# Altium PCB 非自锁降压电源模块（拼夕夕）.PcbDoc
Units mm, origin at the board's own origin, x right, y up, seen from the top; angles counter-clockwise.
Board outline 81.53 x 81.53 mm, 2 copper layers (Top Layer, Bottom Layer); 128 components, 9 nets, 288 pads, 143 vias.
Unrouted connection lines stored in the file: 63.
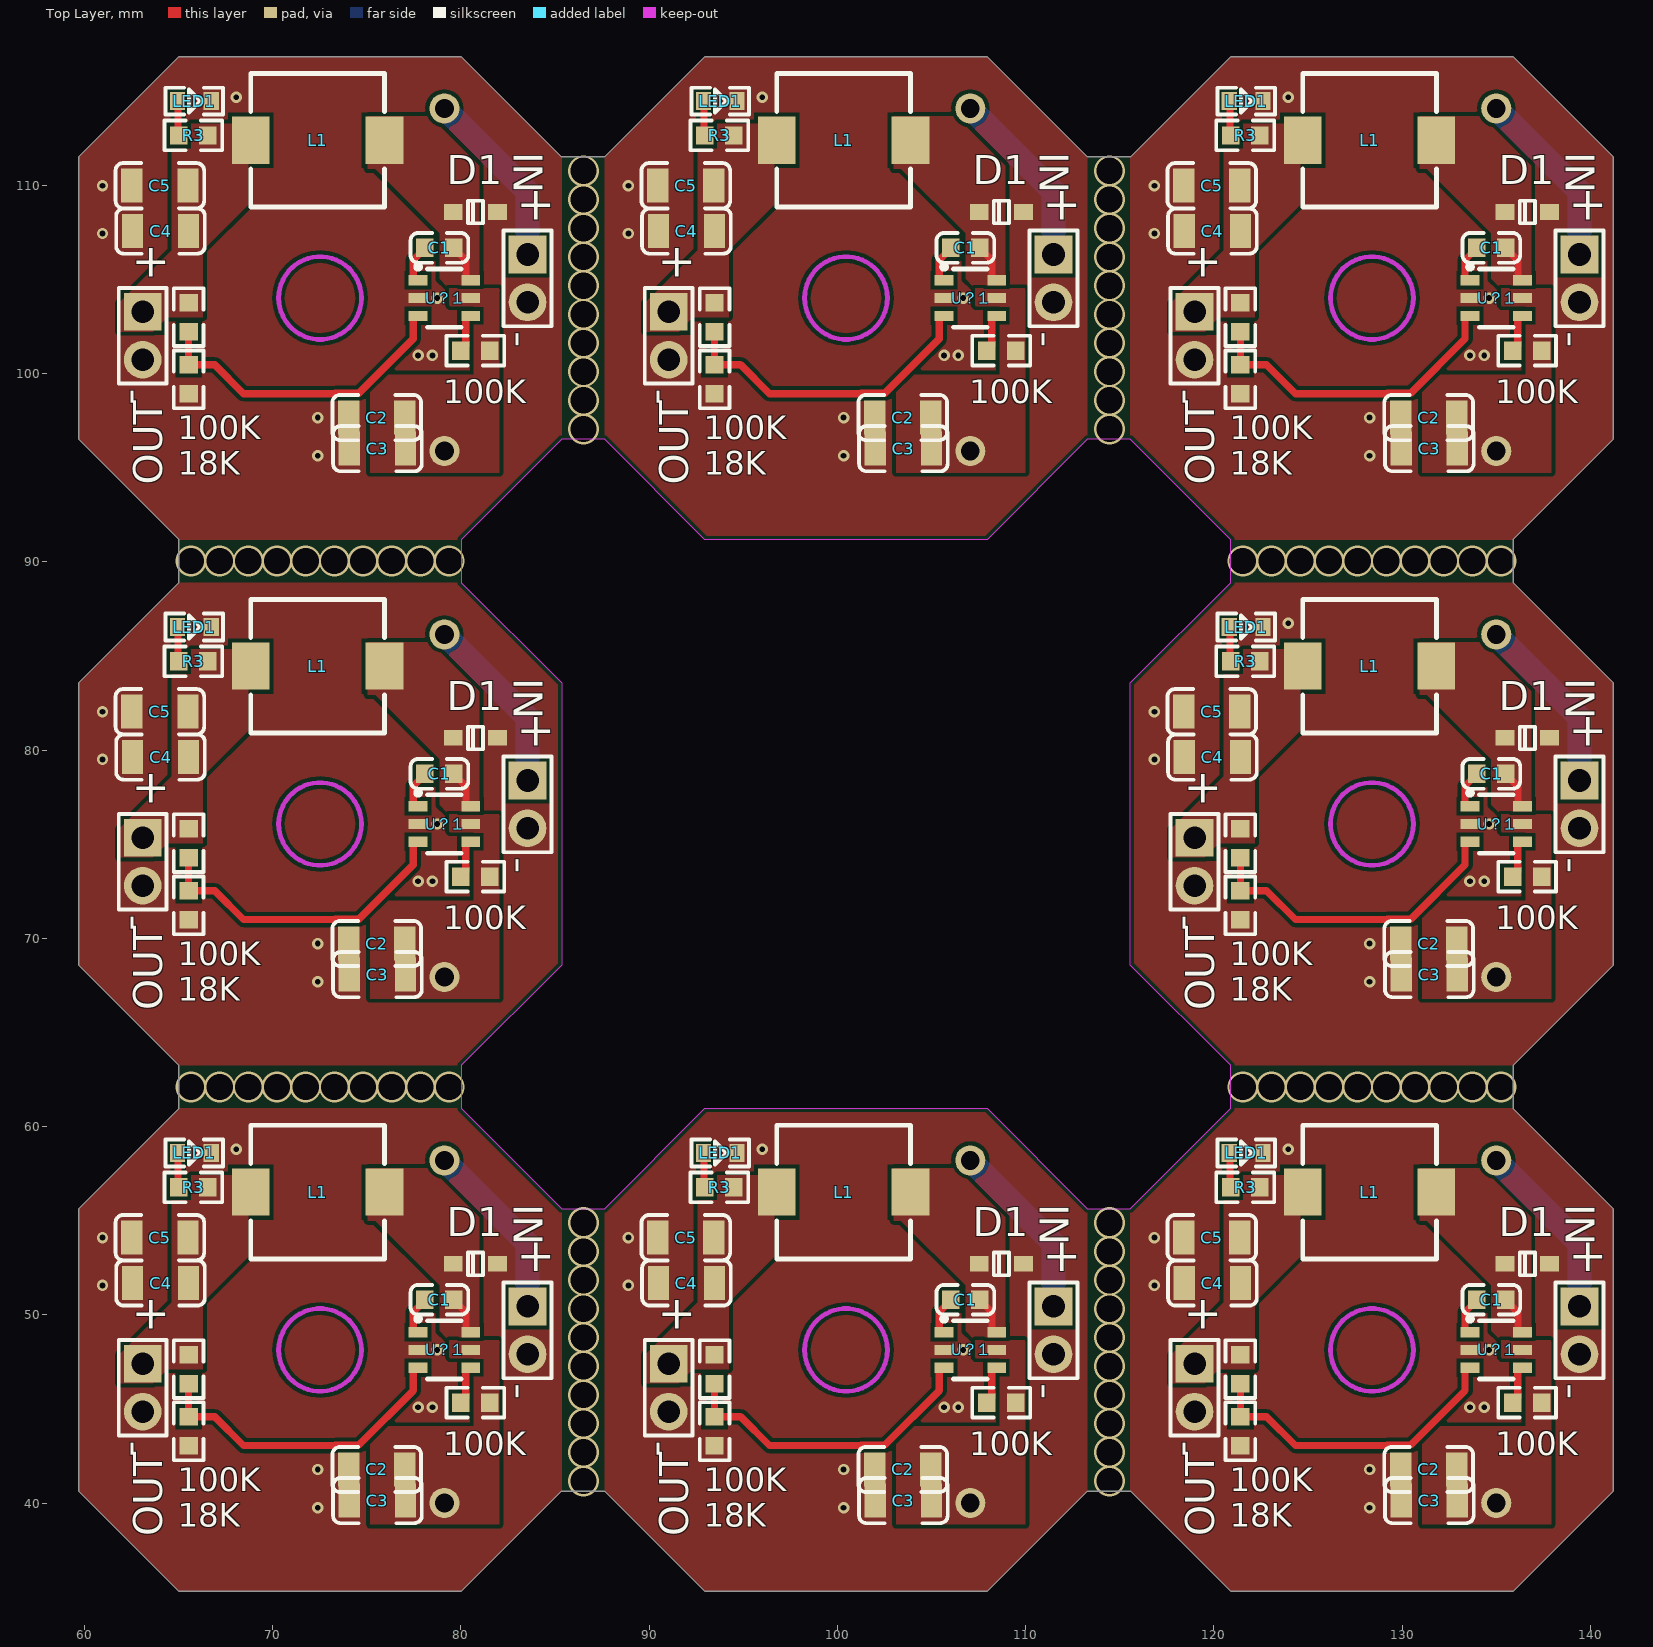
[diagram p0: Top Layer view]
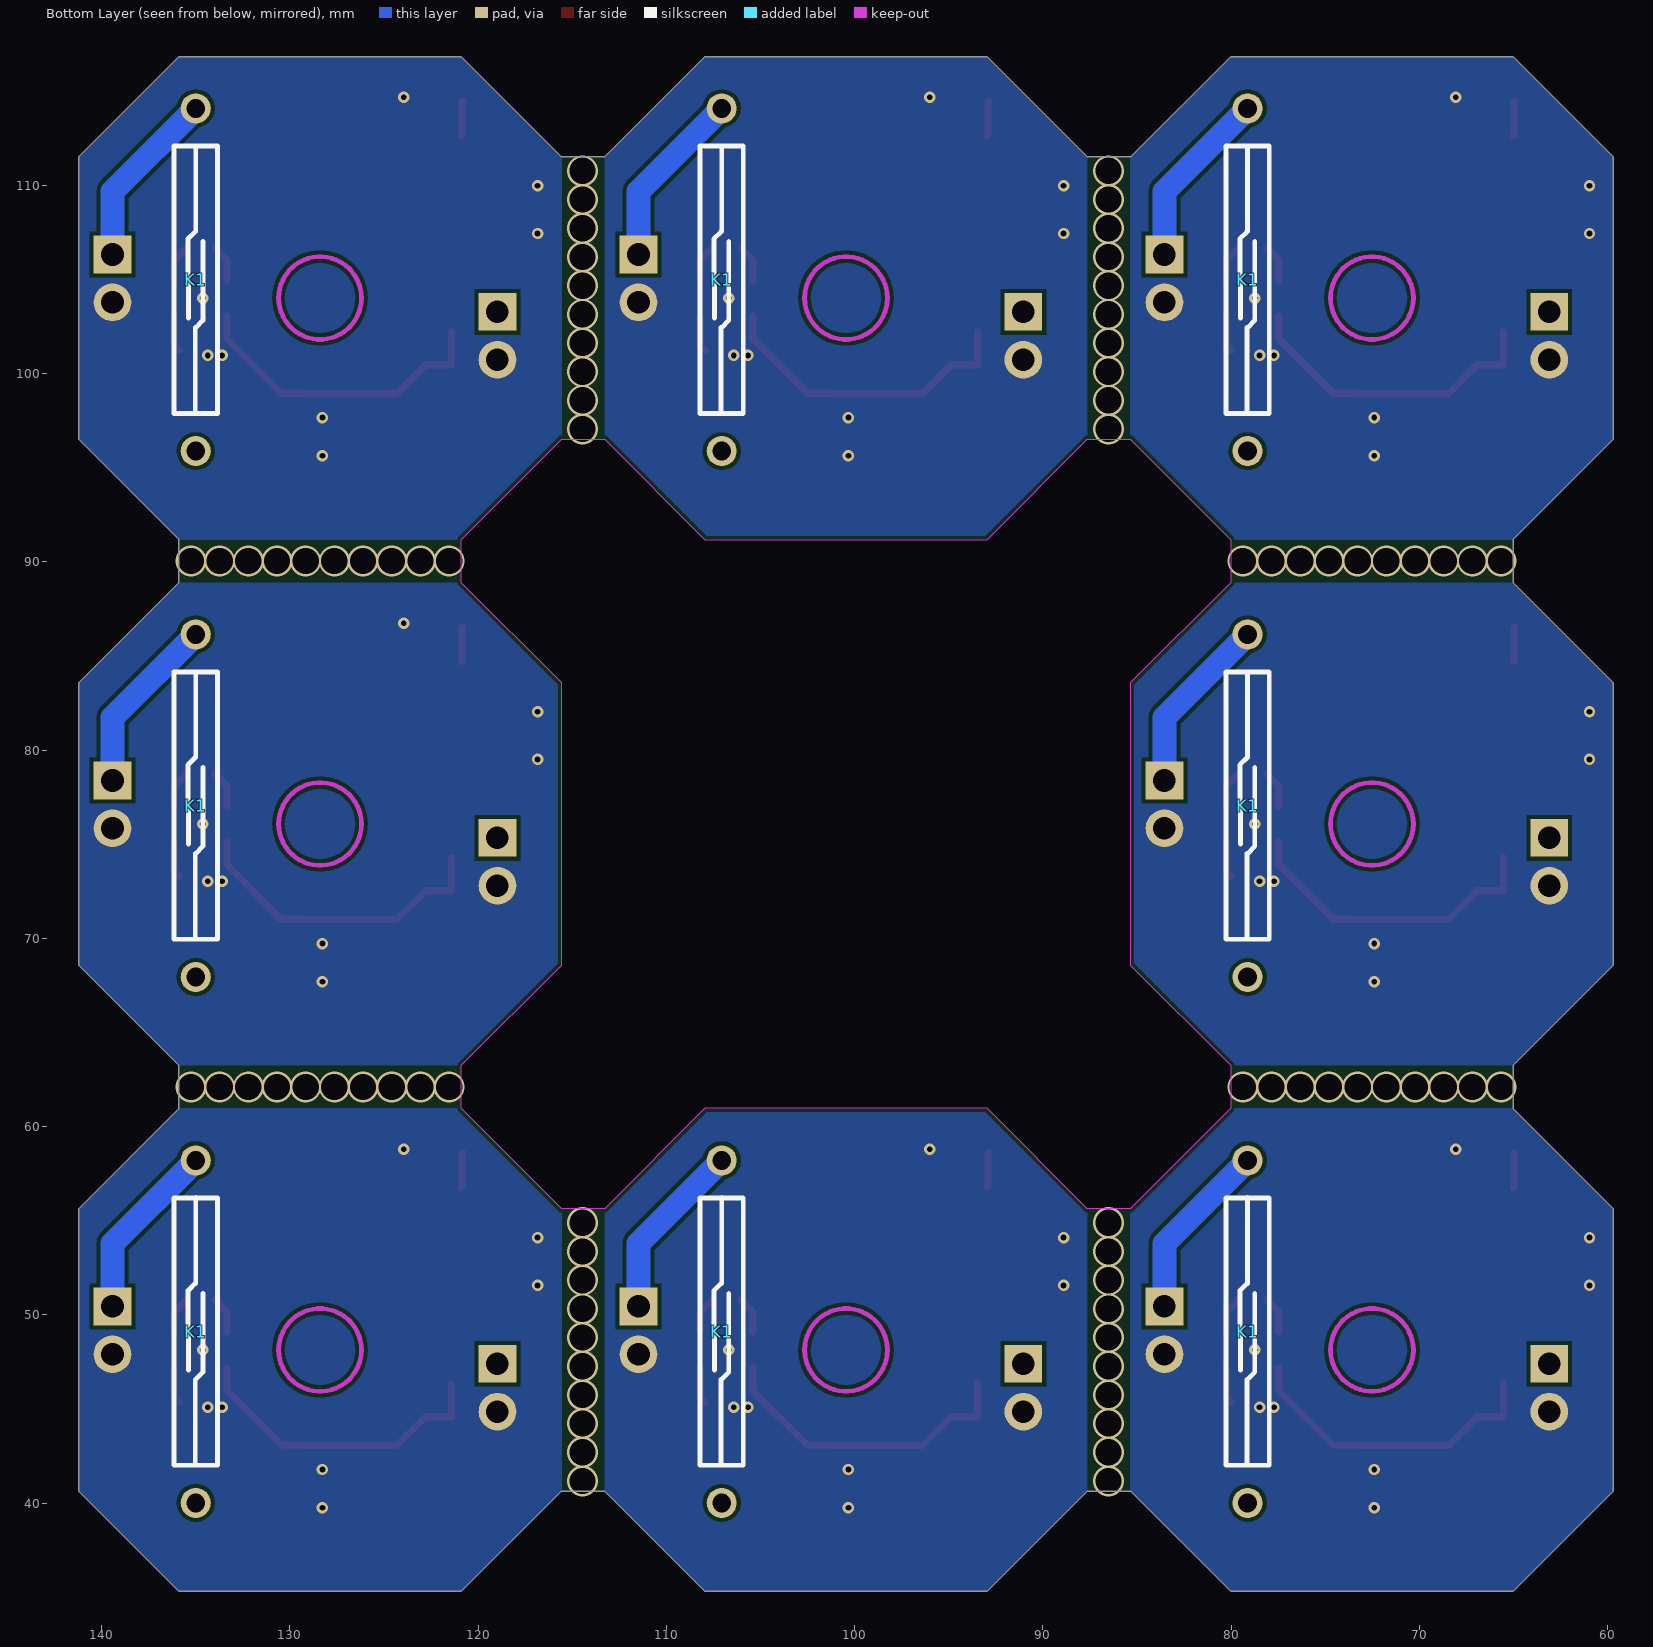
[diagram p1: Bottom Layer view, seen from below]
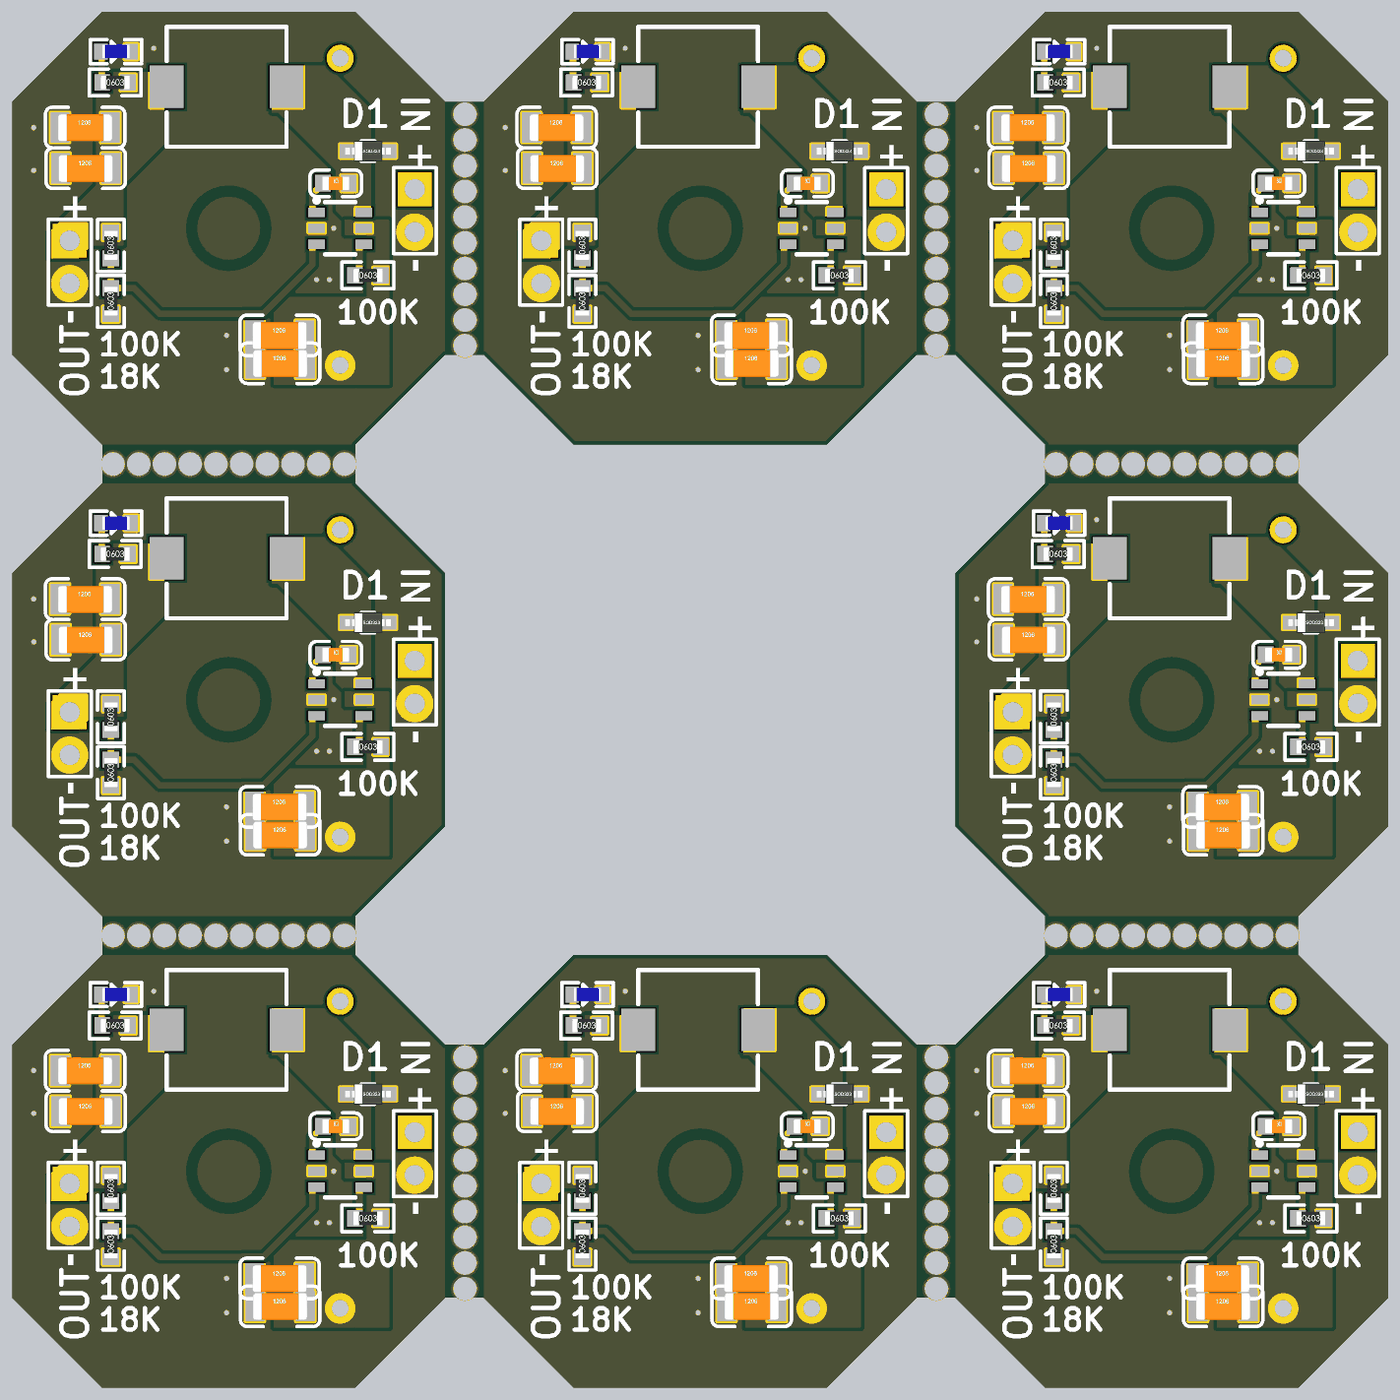
[diagram p2: 3D render of the assembled board from above, using the file's embedded part models]

## Layer stack, top to bottom
Top Solder: solder mask 0.0102, Solder Resist, Dk 3.5
Top Layer: signal copper 0.0356
Dielectric 1: dielectric 0.32, FR-4, Dk 4.8
Bottom Layer: signal copper 0.0356
Bottom Solder: solder mask 0.0102, Solder Resist, Dk 3.5

## Board outline
65.024,35.306 80.01,35.306 85.344,40.64 87.63,40.64 92.964,35.306 107.95,35.306 113.284,40.64 115.57,40.64 120.904,35.306 135.89,35.306 141.224,40.64 141.224,55.626 135.89,60.96 135.89,63.246 141.224,68.58 141.224,83.566 135.89,88.9 135.89,91.186 141.224,96.52 141.224,111.506 135.89,116.84 120.904,116.84 115.57,111.506 113.284,111.506 107.95,116.84 92.964,116.84 87.63,111.506 85.344,111.506 80.01,116.84 65.024,116.84 59.69,111.506 59.69,96.52 65.024,91.186 65.024,88.9 59.69,83.566 59.69,68.58 65.024,63.246 65.024,60.96 59.69,55.626 59.69,40.64
cut-out: 80.01,91.186 80.01,88.9 85.344,83.566 85.344,68.58 80.01,63.246 80.01,60.96 85.344,55.626 87.63,55.626 92.964,60.96 107.95,60.96 113.284,55.626 115.57,55.626 120.904,60.96 120.904,63.246 115.57,68.58 115.57,83.566 120.904,88.9 120.904,91.186 115.57,96.52 113.284,96.52 107.95,91.186 92.964,91.186 87.63,96.52 85.344,96.52

## Design rules (kind name [scope] priority, off if disabled: settings)
Clearance [All] p1: gap=0.203 ignorepadtopadclearanceinfootprint=FALSE
PolygonConnect [All] p1: connectstyle=Direct reliefconductorwidth=0.254 reliefentries=4 polygonreliefangle="90 Angle" airgapwidth=0.254
RoutingVias [All] p1: holewidth=0.711 width=1.27 viastyle="Through Hole" minholewidth=0.711 minwidth=1.27 maxholewidth=2.032 maxwidth=2.54
SolderMaskExpansion [All] p1: expansion=0.102 istentingtop=FALSE
Width [All] p1: maxlimit=2.54 minlimit=0.254 preferedwidth=0.254
30 further rules are at their usual default settings.

## Components (designator, comment, footprint, x,y, rotation, side; value= is the part's Value field where it differs from the comment)
18K "18K" 0603_R 65.532,99.695 r90 top (schematic designator R4)
18K "18K" 0603_R 93.472,99.695 r90 top (schematic designator R4)
18K "18K" 0603_R 121.412,99.695 r90 top (schematic designator R4)
18K "18K" 0603_R 65.532,71.755 r90 top (schematic designator R4)
18K "18K" 0603_R 121.412,71.755 r90 top (schematic designator R4)
18K "18K" 0603_R 65.532,43.815 r90 top (schematic designator R4)
18K "18K" 0603_R 93.472,43.815 r90 top (schematic designator R4)
18K "18K" 0603_R 121.412,43.815 r90 top (schematic designator R4)
100K "100K" 0603_R 65.532,102.997 r90 top (schematic designator R2)
100K "100K" 0603_R 80.764,101.219 r0 top (schematic designator R1)
100K "100K" 0603_R 93.472,102.997 r90 top (schematic designator R2)
100K "100K" 0603_R 108.704,101.219 r0 top (schematic designator R1)
100K "100K" 0603_R 121.412,102.997 r90 top (schematic designator R2)
100K "100K" 0603_R 136.644,101.219 r0 top (schematic designator R1)
100K "100K" 0603_R 65.532,75.057 r90 top (schematic designator R2)
100K "100K" 0603_R 80.764,73.279 r0 top (schematic designator R1)
100K "100K" 0603_R 121.412,75.057 r90 top (schematic designator R2)
100K "100K" 0603_R 136.644,73.279 r0 top (schematic designator R1)
100K "100K" 0603_R 65.532,47.117 r90 top (schematic designator R2)
100K "100K" 0603_R 80.764,45.339 r0 top (schematic designator R1)
100K "100K" 0603_R 93.472,47.117 r90 top (schematic designator R2)
100K "100K" 0603_R 108.704,45.339 r0 top (schematic designator R1)
100K "100K" 0603_R 121.412,47.117 r90 top (schematic designator R2)
100K "100K" 0603_R 136.644,45.339 r0 top (schematic designator R1)
C1 "100nF" 0603_C 78.867,106.68 r0 top
C1 "100nF" 0603_C 106.807,106.68 r0 top
C1 "100nF" 0603_C 134.747,106.68 r0 top
C1 "100nF" 0603_C 78.867,78.74 r0 top
C1 "100nF" 0603_C 134.747,78.74 r0 top
C1 "100nF" 0603_C 78.867,50.8 r0 top
C1 "100nF" 0603_C 106.807,50.8 r0 top
C1 "100nF" 0603_C 134.747,50.8 r0 top
C2 "?F" 1206_C 75.531,97.663 r0 top
C2 "?F" 1206_C 103.471,97.663 r0 top
C2 "?F" 1206_C 131.411,97.663 r0 top
C2 "?F" 1206_C 75.531,69.723 r0 top
C2 "?F" 1206_C 131.411,69.723 r0 top
C2 "?F" 1206_C 75.531,41.783 r0 top
C2 "?F" 1206_C 103.471,41.783 r0 top
C2 "?F" 1206_C 131.411,41.783 r0 top
C3 "?F" 1206_C 75.565,96.012 r0 top
C3 "?F" 1206_C 103.505,96.012 r0 top
C3 "?F" 1206_C 131.445,96.012 r0 top
C3 "?F" 1206_C 75.565,68.072 r0 top
C3 "?F" 1206_C 131.445,68.072 r0 top
C3 "?F" 1206_C 75.565,40.132 r0 top
C3 "?F" 1206_C 103.505,40.132 r0 top
C3 "?F" 1206_C 131.445,40.132 r0 top
C4 "?F" 1206_C 64.042,107.569 r0 top
C4 "?F" 1206_C 91.982,107.569 r0 top
C4 "?F" 1206_C 119.922,107.569 r0 top
C4 "?F" 1206_C 64.042,79.629 r0 top
C4 "?F" 1206_C 119.922,79.629 r0 top
C4 "?F" 1206_C 64.042,51.689 r0 top
C4 "?F" 1206_C 91.982,51.689 r0 top
C4 "?F" 1206_C 119.922,51.689 r0 top
C5 "?F" 1206_C 64.008,109.982 r0 top
C5 "?F" 1206_C 91.948,109.982 r0 top
C5 "?F" 1206_C 119.888,109.982 r0 top
C5 "?F" 1206_C 64.008,82.042 r0 top
C5 "?F" 1206_C 119.888,82.042 r0 top
C5 "?F" 1206_C 64.008,54.102 r0 top
C5 "?F" 1206_C 91.948,54.102 r0 top
C5 "?F" 1206_C 119.888,54.102 r0 top
D1 "稳压二极管" SOD-323 80.772,108.585 r0 top
D1 "稳压二极管" SOD-323 108.712,108.585 r0 top
D1 "稳压二极管" SOD-323 136.652,108.585 r0 top
D1 "稳压二极管" SOD-323 80.772,80.645 r0 top
D1 "稳压二极管" SOD-323 136.652,80.645 r0 top
D1 "稳压二极管" SOD-323 80.772,52.705 r0 top
D1 "稳压二极管" SOD-323 108.712,52.705 r0 top
D1 "稳压二极管" SOD-323 136.652,52.705 r0 top
IN "HDR1x2" "排针排母 2P 2.54mm" 83.566,105.029 r270 top (schematic designator J1)
IN "HDR1x2" "排针排母 2P 2.54mm" 111.506,105.029 r270 top (schematic designator J1)
IN "HDR1x2" "排针排母 2P 2.54mm" 139.446,105.029 r270 top (schematic designator J1)
IN "HDR1x2" "排针排母 2P 2.54mm" 83.566,77.089 r270 top (schematic designator J1)
IN "HDR1x2" "排针排母 2P 2.54mm" 139.446,77.089 r270 top (schematic designator J1)
IN "HDR1x2" "排针排母 2P 2.54mm" 83.566,49.149 r270 top (schematic designator J1)
IN "HDR1x2" "排针排母 2P 2.54mm" 111.506,49.149 r270 top (schematic designator J1)
IN "HDR1x2" "排针排母 2P 2.54mm" 139.446,49.149 r270 top (schematic designator J1)
K1 "磁性开关" MKA14103 79.121,104.985 r270 bottom
K1 "磁性开关" MKA14103 107.061,104.985 r270 bottom
K1 "磁性开关" MKA14103 135.001,104.985 r270 bottom
K1 "磁性开关" MKA14103 79.121,77.045 r270 bottom
K1 "磁性开关" MKA14103 135.001,77.045 r270 bottom
K1 "磁性开关" MKA14103 79.121,49.105 r270 bottom
K1 "磁性开关" MKA14103 107.061,49.105 r270 bottom
K1 "磁性开关" MKA14103 135.001,49.105 r270 bottom
L1 "?H" SMD_7*7*4MM 72.39,112.395 r180 top
L1 "?H" SMD_7*7*4MM 100.33,112.395 r180 top
L1 "?H" SMD_7*7*4MM 128.27,112.395 r180 top
L1 "?H" SMD_7*7*4MM 72.39,84.455 r180 top
L1 "?H" SMD_7*7*4MM 128.27,84.455 r180 top
L1 "?H" SMD_7*7*4MM 72.39,56.515 r180 top
L1 "?H" SMD_7*7*4MM 100.33,56.515 r180 top
L1 "?H" SMD_7*7*4MM 128.27,56.515 r180 top
LED1 "LED" LED_0603 65.786,114.427 r0 top
LED1 "LED" LED_0603 93.726,114.427 r0 top
LED1 "LED" LED_0603 121.666,114.427 r0 top
LED1 "LED" LED_0603 65.786,86.487 r0 top
LED1 "LED" LED_0603 121.666,86.487 r0 top
LED1 "LED" LED_0603 65.786,58.547 r0 top
LED1 "LED" LED_0603 93.726,58.547 r0 top
LED1 "LED" LED_0603 121.666,58.547 r0 top
OUT "HDR1x2" "排针排母 2P 2.54mm" 63.119,101.981 r270 top (schematic designator J2)
OUT "HDR1x2" "排针排母 2P 2.54mm" 91.059,101.981 r270 top (schematic designator J2)
OUT "HDR1x2" "排针排母 2P 2.54mm" 118.999,101.981 r270 top (schematic designator J2)
OUT "HDR1x2" "排针排母 2P 2.54mm" 63.119,74.041 r270 top (schematic designator J2)
OUT "HDR1x2" "排针排母 2P 2.54mm" 118.999,74.041 r270 top (schematic designator J2)
OUT "HDR1x2" "排针排母 2P 2.54mm" 63.119,46.101 r270 top (schematic designator J2)
OUT "HDR1x2" "排针排母 2P 2.54mm" 91.059,46.101 r270 top (schematic designator J2)
OUT "HDR1x2" "排针排母 2P 2.54mm" 118.999,46.101 r270 top (schematic designator J2)
R3 "10K" 0603_R 65.786,112.649 r0 top
R3 "10K" 0603_R 93.726,112.649 r0 top
R3 "10K" 0603_R 121.666,112.649 r0 top
R3 "10K" 0603_R 65.786,84.709 r0 top
R3 "10K" 0603_R 121.666,84.709 r0 top
R3 "10K" 0603_R 65.786,56.769 r0 top
R3 "10K" 0603_R 93.726,56.769 r0 top
R3 "10K" 0603_R 121.666,56.769 r0 top
U？1 "LMR16006XDDCR" SOT-23-6 79.121,104.013 r180 top
U？1 "LMR16006XDDCR" SOT-23-6 107.061,104.013 r180 top
U？1 "LMR16006XDDCR" SOT-23-6 135.001,104.013 r180 top
U？1 "LMR16006XDDCR" SOT-23-6 79.121,76.073 r180 top
U？1 "LMR16006XDDCR" SOT-23-6 135.001,76.073 r180 top
U？1 "LMR16006XDDCR" SOT-23-6 79.121,48.133 r180 top
U？1 "LMR16006XDDCR" SOT-23-6 107.061,48.133 r180 top
U？1 "LMR16006XDDCR" SOT-23-6 135.001,48.133 r180 top

## Footprints (in the part's own frame and the unit in brackets; to place one, negate y for a bottom-side part, rotate by r counter-clockwise, add the part's x,y. Pads: shape width x height; smd on the part's side, far side on the other; paste and mask are expansions set on the pad)
0603_C [mm] "SMD, 0603"
  rect 0.93x0.98 smd: 1(-0.778,0) 2(0.762,0)
  silkscreen extent -1.54,-0.79 1.53,0.79, body extent -0.81,-0.4 0.79,0.4, height 0.3
0603_R [mm] "SMD, 0603"
  rect 0.93x0.98 smd: 1(-0.77,0) 2(0.77,0)
  silkscreen extent -1.53,-0.79 1.54,0.79, body extent -0.85,-0.4 0.85,0.4, height 0.56
1206_C [mm] "SMD, 1206"
  rect 1.13x1.8 smd: 1(-1.49,0) 2(1.49,0)
  silkscreen extent -2.36,-1.2 2.35,1.2, body extent -1.6,-0.81 1.6,0.79, height 1
LED_0603 [mm]
  rect 0.8x0.95 smd: 1(-0.849,0.051) 2(0.951,0.051)
  silkscreen extent -1.47,-0.66 1.57,0.76, body extent -0.75,-0.34 0.85,0.46, height 0.8
MKA14103 [mm] "干簧管，型号MKA14103"
  round 1.6 hole 1: 1(-9.1,0) 2(9.1,0)
  silkscreen extent -7.12,-1.15 7.1,1.15
SMD_7*7*4MM [mm]
  rect 2x2.5 smd: 1(-3.55,0) 2(3.55,0)
  silkscreen extent -3.55,-3.55 3.55,3.55, body extent -3.56,-3.56 3.56,3.56, height 4
SOD-323 [mm]
  rect 1x0.83 smd: 1(1.18,0) 2(-1.18,0)
  silkscreen extent -0.4,-0.6 0.4,0.6, body extent -1.35,-0.62 1.35,0.63, height 1.1
SOT-23-6 [mm]
  rect 1x0.55 smd: 1(1.4,-0.95) 2(1.4,0) 3(1.4,0.95) 4(-1.4,0.95) 5(-1.4,0) 6(-1.4,-0.95)
  silkscreen extent -0.9,-1.78 1.52,1.55
"排针排母 2P 2.54mm" [mm]
  rect 2x2 hole 1.2: 1(-1.295,-0.025)
  round 2 hole 1.2: 2(1.245,-0.025)
  silkscreen extent -2.57,-1.3 2.51,1.24

## Part data
18K 18K 18K 18K 18K 18K 18K 18K 100K 100K 100K 100K 100K 100K 100K 100K 100K 100K 100K 100K 100K 100K 100K 100K R3 R3 R3 R3 R3 R3 R3 R3: library part RES, "Resistor"
C1 C1 C1 C1 C1 C1 C1 C1 C2 C2 C2 C2 C2 C2 C2 C2 C3 C3 C3 C3 C3 C3 C3 C3 C4 C4 C4 C4 C4 C4 C4 C4 C5 C5 C5 C5 C5 C5 C5 C5: library part CAP, "Capacitor"
IN IN IN IN IN IN IN IN OUT OUT OUT OUT OUT OUT OUT OUT: "Connector"
K1 K1 K1 K1 K1 K1 K1 K1: library part 干簧管, "开关", BOM_JLCPCB Part Class="Extended Part", BOM_Manufacturer=STANDEXMEDER, BOM_Manufacturer Part=KSK-SME560-1015, BOM_Supplier=LCSC, BOM_Supplier Part=C575284, Contributor=LCSC, spicePre=K, spiceSymbolName=KSK-SME560-1015
L1 L1 L1 L1 L1 L1 L1 L1: library part Inductor, "Inductor", Code_IEC=1005, Code_JEITA=0402, LatestRevisionDate=17-Jul-2002, LatestRevisionNote="Re-released for DXP Platform.", PackageReference=0402-A, Published=8-Jun-2000, Publisher="Altium Limited"
U？1 U？1 U？1 U？1 U？1 U？1 U？1 U？1: "DC-DC降压模块", BOM_JLCPCB Part Class="Extended Part", BOM_Manufacturer=TI, BOM_Manufacturer Part=LMR16006XDDCR, BOM_Supplier=LCSC, BOM_Supplier Part=C87080, spicePre=U, spiceSymbolName=LMR16006XDDCR

## Via types
v1: diameter 1.651, hole 1.397, Top Layer to Bottom Layer, 80 vias
v2: diameter 0.61, hole 0.305, Top Layer to Bottom Layer, 63 vias

## Nets (pads, with @x,y where several pads share a name; then routed paths per layer and width w, separated by ;. In a path a pad name is that pad's centre, name@x,y a point inside that pad or via, vN(x,y) a via of type N, cw(c..) or ccw(c..) an arc to the next point about the centre after c; other vN are vias at no path point)
GND: 18K.1 C2.1 C3.1 C4.1 C5.1 D1.1 IN.2 LED1.2 OUT.2 U？1.2
  other v2: 72.39,39.751 100.33,39.751 128.27,39.751 72.39,41.783 100.33,41.783 128.27,41.783 77.724,45.085 78.486,45.085 105.664,45.085 106.426,45.085 133.604,45.085 134.366,45.085 78.74,48.133 106.68,48.133 134.62,48.133 60.96,51.562 88.9,51.562 116.84,51.562 60.96,54.102 88.9,54.102 116.84,54.102 68.072,58.801 96.012,58.801 123.952,58.801 72.39,67.691 128.27,67.691 72.39,69.723 128.27,69.723 77.724,73.025 78.486,73.025 133.604,73.025 134.366,73.025 78.74,76.073 134.62,76.073 60.96,79.502 116.84,79.502 60.96,82.042 116.84,82.042 123.952,86.741 72.39,95.631 100.33,95.631 128.27,95.631 72.39,97.663 100.33,97.663 128.27,97.663 77.724,100.965 78.486,100.965 105.664,100.965 106.426,100.965 133.604,100.965 134.366,100.965 78.74,104.013 106.68,104.013 134.62,104.013 60.96,107.442 88.9,107.442 116.84,107.442 60.96,109.982 88.9,109.982 116.84,109.982 68.072,114.681 96.012,114.681 123.952,114.681
NetC1_1: C1.1 U？1.1 | length 15.8
  Top Layer w0.381: U？1.1@77.467,49.083 77.467,50.153 78.089,50.775 C1.1@78.089,50.8 ; U？1.1@77.467,77.023 77.467,78.093 78.089,78.715 C1.1@78.089,78.74 ; U？1.1@77.467,104.963 77.467,106.033 78.089,106.655 C1.1@78.089,106.68 ; U？1.1@105.407,49.083 105.407,50.153 106.029,50.775 C1.1@106.029,50.8 ; U？1.1@105.407,104.963 105.407,106.033 106.029,106.655 C1.1@106.029,106.68 ; U？1.1@133.347,49.083 133.347,50.153 133.969,50.775 C1.1@133.969,50.8 ; U？1.1@133.347,77.023 133.347,78.093 133.969,78.715 C1.1@133.969,78.74 ; U？1.1@133.347,104.963 133.347,106.033 133.969,106.655 C1.1@133.969,106.68
NetC1_2: C1.2 D1.2 L1.1 U？1.6 | length 15.9
  Top Layer w0.381: C1.2@79.629,50.8 79.629,50.775 80.267,50.137 U？1.6@80.267,49.083 ; C1.2@79.629,78.74 79.629,78.715 80.267,78.077 U？1.6@80.267,77.023 ; C1.2@79.629,106.68 79.629,106.655 80.267,106.017 U？1.6@80.267,104.963 ; C1.2@107.569,50.8 107.569,50.775 108.207,50.137 U？1.6@108.207,49.083 ; C1.2@107.569,106.68 107.569,106.655 108.207,106.017 U？1.6@108.207,104.963 ; C1.2@135.509,50.8 135.509,50.775 136.147,50.137 U？1.6@136.147,49.083 ; C1.2@135.509,78.74 135.509,78.715 136.147,78.077 U？1.6@136.147,77.023 ; C1.2@135.509,106.68 135.509,106.655 136.147,106.017 U？1.6@136.147,104.963
NetC2_2: 100K.2@81.534,45.339 100K.2@81.534,73.279 100K.2@81.534,101.219 100K.2@109.474,45.339 100K.2@109.474,101.219 100K.2@137.414,45.339 100K.2@137.414,73.279 100K.2@137.414,101.219 C2.2 C3.2 K1.2 U？1.5
NetLED1_1: LED1.1 R3.1 | length 14.9
  Top Layer w0.381: LED1.1@64.937,58.598 64.976,58.558 64.976,56.809 R3.1@65.016,56.769 ; LED1.1@64.937,86.538 64.976,86.498 64.976,84.749 R3.1@65.016,84.709 ; LED1.1@64.937,114.478 64.976,114.438 64.976,112.689 R3.1@65.016,112.649 ; LED1.1@92.877,58.598 92.916,58.558 92.916,56.809 R3.1@92.956,56.769 ; LED1.1@92.877,114.478 92.916,114.438 92.916,112.689 R3.1@92.956,112.649 ; LED1.1@120.817,58.598 120.856,58.558 120.856,56.809 R3.1@120.896,56.769 ; LED1.1@120.817,86.538 120.856,86.498 120.856,84.749 R3.1@120.896,84.709 ; LED1.1@120.817,114.478 120.856,114.438 120.856,112.689 R3.1@120.896,112.649
NetR1_1: 100K.1@79.994,45.339 100K.1@79.994,73.279 100K.1@79.994,101.219 100K.1@107.934,45.339 100K.1@107.934,101.219 100K.1@135.874,45.339 100K.1@135.874,73.279 100K.1@135.874,101.219 U？1.4 | length 15.7
  Top Layer w0.381: 100K.1@79.994,45.339 80.258,45.603 80.258,47.173 U？1.4@80.267,47.183 ; 100K.1@79.994,73.279 80.258,73.543 80.258,75.113 U？1.4@80.267,75.123 ; 100K.1@79.994,101.219 80.258,101.483 80.258,103.053 U？1.4@80.267,103.063 ; 100K.1@107.934,45.339 108.198,45.603 108.198,47.173 U？1.4@108.207,47.183 ; 100K.1@107.934,101.219 108.198,101.483 108.198,103.053 U？1.4@108.207,103.063 ; 100K.1@135.874,45.339 136.138,45.603 136.138,47.173 U？1.4@136.147,47.183 ; 100K.1@135.874,73.279 136.138,73.543 136.138,75.113 U？1.4@136.147,75.123 ; 100K.1@135.874,101.219 136.138,101.483 136.138,103.053 U？1.4@136.147,103.063
NetR2_1: 18K.2 100K.1@65.532,46.347 100K.1@65.532,74.287 100K.1@65.532,102.227 100K.1@93.472,46.347 100K.1@93.472,102.227 100K.1@121.412,46.347 100K.1@121.412,74.287 100K.1@121.412,102.227 U？1.3 | length 134
  Top Layer w0.381: 100K.1@65.532,46.347 65.532,44.585 66.921,44.585 68.453,43.053 73.289,43.053 73.313,43.077 74.573,43.077 77.467,45.971 U？1.3@77.467,47.183 ; 100K.1@65.532,74.287 65.532,72.525 66.921,72.525 68.453,70.993 73.289,70.993 73.313,71.017 74.573,71.017 77.467,73.911 U？1.3@77.467,75.123 ; 100K.1@65.532,102.227 65.532,100.465 66.921,100.465 68.453,98.933 73.289,98.933 73.313,98.957 74.573,98.957 77.467,101.851 U？1.3@77.467,103.063 ; 100K.1@93.472,46.347 93.472,44.585 94.861,44.585 96.393,43.053 101.229,43.053 101.253,43.077 102.513,43.077 105.407,45.971 U？1.3@105.407,47.183 ; 100K.1@93.472,102.227 93.472,100.465 94.861,100.465 96.393,98.933 101.229,98.933 101.253,98.957 102.513,98.957 105.407,101.851 U？1.3@105.407,103.063 ; 100K.1@121.412,46.347 121.412,44.585 122.801,44.585 124.333,43.053 129.169,43.053 129.193,43.077 130.453,43.077 133.347,45.971 U？1.3@133.347,47.183 ; 100K.1@121.412,74.287 121.412,72.525 122.801,72.525 124.333,70.993 129.169,70.993 129.193,71.017 130.453,71.017 133.347,73.911 U？1.3@133.347,75.123 ; 100K.1@121.412,102.227 121.412,100.465 122.801,100.465 124.333,98.933 129.169,98.933 129.193,98.957 130.453,98.957 133.347,101.851 U？1.3@133.347,103.063
VCC: IN.1 K1.1 | length 76.7
  Bottom Layer w1.27: K1.1@79.121,58.205 83.541,53.785 IN.1@83.541,50.444 ; K1.1@79.121,86.145 83.541,81.725 IN.1@83.541,78.384 ; K1.1@79.121,114.085 83.541,109.665 IN.1@83.541,106.324 ; K1.1@107.061,58.205 111.481,53.785 IN.1@111.481,50.444 ; K1.1@107.061,114.085 111.481,109.665 IN.1@111.481,106.324 ; K1.1@135.001,58.205 139.421,53.785 IN.1@139.421,50.444 ; K1.1@135.001,86.145 139.421,81.725 IN.1@139.421,78.384 ; K1.1@135.001,114.085 139.421,109.665 IN.1@139.421,106.324
VOUT: 100K.2@65.532,47.887 100K.2@65.532,75.827 100K.2@65.532,103.767 100K.2@93.472,47.887 100K.2@93.472,103.767 100K.2@121.412,47.887 100K.2@121.412,75.827 100K.2@121.412,103.767 C4.2 C5.2 L1.2 OUT.1 R3.2
copper on no net:
  other v1: 86.512,41.173 114.452,41.173 86.512,42.697 114.452,42.697 86.512,44.221 114.452,44.221 86.512,45.745 114.452,45.745 86.512,47.269 114.452,47.269 86.512,48.793 114.452,48.793 86.512,50.317 114.452,50.317 86.512,51.841 114.452,51.841 86.512,53.365 114.452,53.365 86.512,54.889 114.452,54.889 65.659,62.103 67.183,62.103 68.707,62.103 70.231,62.103 71.755,62.103 73.279,62.103 74.803,62.103 76.327,62.103 77.851,62.103 79.375,62.103 121.539,62.103 123.063,62.103 124.587,62.103 126.111,62.103 127.635,62.103 129.159,62.103 130.683,62.103 132.207,62.103 133.731,62.103 135.255,62.103 65.659,90.043 67.183,90.043 68.707,90.043 70.231,90.043 71.755,90.043 73.279,90.043 74.803,90.043 76.327,90.043 77.851,90.043 79.375,90.043 121.539,90.043 123.063,90.043 124.587,90.043 126.111,90.043 127.635,90.043 129.159,90.043 130.683,90.043 132.207,90.043 133.731,90.043 135.255,90.043 86.512,97.053 114.452,97.053 86.512,98.577 114.452,98.577 86.512,100.101 114.452,100.101 86.512,101.625 114.452,101.625 86.512,103.149 114.452,103.149 86.512,104.673 114.452,104.673 86.512,106.197 114.452,106.197 86.512,107.721 114.452,107.721 86.512,109.245 114.452,109.245 86.512,110.769 114.452,110.769

## Polygon pours and split planes (outlines as drawn)
GND on Top Layer "GND_L01_P058" (solid, pour order 58): 115.57,96.52 115.57,111.506 120.904,116.84 135.89,116.84 141.224,111.506 141.224,96.52 135.89,91.186 120.904,91.186
VOUT on Top Layer "NONET_L-01_P-001" (solid, pour order 57): 124.587,113.284 124.587,108.966 122.174,106.553 122.174,102.997 120.269,102.997 119.507,102.235 117.729,102.235 117.729,103.759 120.523,106.553 120.523,113.284
NetC1_2 on Top Layer "NONET_L-01_P-001" (solid, pour order 56): 130.937,113.665 134.239,113.665 136.85,111.054 136.85,104.521 135.255,104.521 134.747,105.029 134.747,107.442 131.318,110.871 130.937,110.871
NetC2_2 on Top Layer "NONET_L-01_P-001" (solid, pour order 55): 131.064,94.742 131.064,99.949 136.525,99.949 136.573,99.997 136.573,103.585 135.302,103.585 135.255,103.632 135.255,104.521 138.049,104.521 137.922,104.394 137.922,94.742
GND on Top Layer "GND_L01_P053" (solid, pour order 53): 87.63,96.52 87.63,111.506 92.964,116.84 107.95,116.84 113.284,111.506 113.284,96.52 107.95,91.186 92.964,91.186
VOUT on Top Layer "NONET_L-01_P-001" (solid, pour order 52): 96.647,113.284 96.647,108.966 94.234,106.553 94.234,102.997 92.329,102.997 91.567,102.235 89.789,102.235 89.789,103.759 92.583,106.553 92.583,113.284
NetC1_2 on Top Layer "NONET_L-01_P-001" (solid, pour order 51): 102.997,113.665 106.299,113.665 108.91,111.054 108.91,104.521 107.315,104.521 106.807,105.029 106.807,107.442 103.378,110.871 102.997,110.871
NetC2_2 on Top Layer "NONET_L-01_P-001" (solid, pour order 50): 103.124,94.742 103.124,99.949 108.585,99.949 108.633,99.997 108.633,103.585 107.362,103.585 107.315,103.632 107.315,104.521 110.109,104.521 109.982,104.394 109.982,94.742
GND on Top Layer "GND_L01_P048" (solid, pour order 48): 59.69,96.52 59.69,111.506 65.024,116.84 80.01,116.84 85.344,111.506 85.344,96.52 80.01,91.186 65.024,91.186
VOUT on Top Layer "NONET_L-01_P-001" (solid, pour order 47): 68.707,113.284 68.707,108.966 66.294,106.553 66.294,102.997 64.389,102.997 63.627,102.235 61.849,102.235 61.849,103.759 64.643,106.553 64.643,113.284
NetC1_2 on Top Layer "NONET_L-01_P-001" (solid, pour order 46): 75.057,113.665 78.359,113.665 80.97,111.054 80.97,104.521 79.375,104.521 78.867,105.029 78.867,107.442 75.438,110.871 75.057,110.871
NetC2_2 on Top Layer "NONET_L-01_P-001" (solid, pour order 45): 75.184,94.742 75.184,99.949 80.645,99.949 80.693,99.997 80.693,103.585 79.422,103.585 79.375,103.632 79.375,104.521 82.169,104.521 82.042,104.394 82.042,94.742
GND on Top Layer "GND_L01_P043" (solid, pour order 43): 115.57,68.58 115.57,83.566 120.904,88.9 135.89,88.9 141.224,83.566 141.224,68.58 135.89,63.246 120.904,63.246
VOUT on Top Layer "NONET_L-01_P-001" (solid, pour order 42): 124.587,85.344 124.587,81.026 122.174,78.613 122.174,75.057 120.269,75.057 119.507,74.295 117.729,74.295 117.729,75.819 120.523,78.613 120.523,85.344
NetC1_2 on Top Layer "NONET_L-01_P-001" (solid, pour order 41): 130.937,85.725 134.239,85.725 136.85,83.114 136.85,76.581 135.255,76.581 134.747,77.089 134.747,79.502 131.318,82.931 130.937,82.931
NetC2_2 on Top Layer "NONET_L-01_P-001" (solid, pour order 40): 131.064,66.802 131.064,72.009 136.525,72.009 136.573,72.057 136.573,75.645 135.302,75.645 135.255,75.692 135.255,76.581 138.049,76.581 137.922,76.454 137.922,66.802
GND on Top Layer "GND_L01_P033" (solid, pour order 33): 59.69,68.58 59.69,83.566 65.024,88.9 80.01,88.9 85.344,83.566 85.344,68.58 80.01,63.246 65.024,63.246
VOUT on Top Layer "NONET_L-01_P-001" (solid, pour order 32): 68.707,85.344 68.707,81.026 66.294,78.613 66.294,75.057 64.389,75.057 63.627,74.295 61.849,74.295 61.849,75.819 64.643,78.613 64.643,85.344
NetC1_2 on Top Layer "NONET_L-01_P-001" (solid, pour order 31): 75.057,85.725 78.359,85.725 80.97,83.114 80.97,76.581 79.375,76.581 78.867,77.089 78.867,79.502 75.438,82.931 75.057,82.931
NetC2_2 on Top Layer "NONET_L-01_P-001" (solid, pour order 30): 75.184,66.802 75.184,72.009 80.645,72.009 80.693,72.057 80.693,75.645 79.422,75.645 79.375,75.692 79.375,76.581 82.169,76.581 82.042,76.454 82.042,66.802
GND on Top Layer "GND_L01_P028" (solid, pour order 28): 115.57,40.64 115.57,55.626 120.904,60.96 135.89,60.96 141.224,55.626 141.224,40.64 135.89,35.306 120.904,35.306
VOUT on Top Layer "NONET_L-01_P-001" (solid, pour order 27): 124.587,57.404 124.587,53.086 122.174,50.673 122.174,47.117 120.269,47.117 119.507,46.355 117.729,46.355 117.729,47.879 120.523,50.673 120.523,57.404
NetC1_2 on Top Layer "NONET_L-01_P-001" (solid, pour order 26): 130.937,57.785 134.239,57.785 136.85,55.174 136.85,48.641 135.255,48.641 134.747,49.149 134.747,51.562 131.318,54.991 130.937,54.991
NetC2_2 on Top Layer "NONET_L-01_P-001" (solid, pour order 25): 131.064,38.862 131.064,44.069 136.525,44.069 136.573,44.117 136.573,47.705 135.302,47.705 135.255,47.752 135.255,48.641 138.049,48.641 137.922,48.514 137.922,38.862
GND on Top Layer "GND_L01_P023" (solid, pour order 23): 87.63,40.64 87.63,55.626 92.964,60.96 107.95,60.96 113.284,55.626 113.284,40.64 107.95,35.306 92.964,35.306
VOUT on Top Layer "NONET_L-01_P-001" (solid, pour order 22): 96.647,57.404 96.647,53.086 94.234,50.673 94.234,47.117 92.329,47.117 91.567,46.355 89.789,46.355 89.789,47.879 92.583,50.673 92.583,57.404
NetC1_2 on Top Layer "NONET_L-01_P-001" (solid, pour order 21): 102.997,57.785 106.299,57.785 108.91,55.174 108.91,48.641 107.315,48.641 106.807,49.149 106.807,51.562 103.378,54.991 102.997,54.991
NetC2_2 on Top Layer "NONET_L-01_P-001" (solid, pour order 20): 103.124,38.862 103.124,44.069 108.585,44.069 108.633,44.117 108.633,47.705 107.362,47.705 107.315,47.752 107.315,48.641 110.109,48.641 109.982,48.514 109.982,38.862
GND on Top Layer "GND_L01_P018" (solid, pour order 18): 59.69,40.64 59.69,55.626 65.024,60.96 80.01,60.96 85.344,55.626 85.344,40.64 80.01,35.306 65.024,35.306
VOUT on Top Layer "NONET_L-01_P-001" (solid, pour order 17): 68.707,57.404 68.707,53.086 66.294,50.673 66.294,47.117 64.389,47.117 63.627,46.355 61.849,46.355 61.849,47.879 64.643,50.673 64.643,57.404
NetC1_2 on Top Layer "NONET_L-01_P-001" (solid, pour order 16): 75.057,57.785 78.359,57.785 80.97,55.174 80.97,48.641 79.375,48.641 78.867,49.149 78.867,51.562 75.438,54.991 75.057,54.991
NetC2_2 on Top Layer "NONET_L-01_P-001" (solid, pour order 15): 75.184,38.862 75.184,44.069 80.645,44.069 80.693,44.117 80.693,47.705 79.422,47.705 79.375,47.752 79.375,48.641 82.169,48.641 82.042,48.514 82.042,38.862
GND on Bottom Layer "GND_L02_P059" (solid, pour order 59): 115.57,96.52 115.57,111.506 120.904,116.84 135.89,116.84 141.224,111.506 141.224,96.52 135.89,91.186 120.904,91.186
GND on Bottom Layer "GND_L02_P054" (solid, pour order 54): 87.63,96.52 87.63,111.506 92.964,116.84 107.95,116.84 113.284,111.506 113.284,96.52 107.95,91.186 92.964,91.186
GND on Bottom Layer "GND_L02_P049" (solid, pour order 49): 59.69,96.52 59.69,111.506 65.024,116.84 80.01,116.84 85.344,111.506 85.344,96.52 80.01,91.186 65.024,91.186
GND on Bottom Layer "GND_L02_P044" (solid, pour order 44): 115.57,68.58 115.57,83.566 120.904,88.9 135.89,88.9 141.224,83.566 141.224,68.58 135.89,63.246 120.904,63.246
GND on Bottom Layer "GND_L02_P034" (solid, pour order 34): 59.69,68.58 59.69,83.566 65.024,88.9 80.01,88.9 85.344,83.566 85.344,68.58 80.01,63.246 65.024,63.246
GND on Bottom Layer "GND_L02_P029" (solid, pour order 29): 115.57,40.64 115.57,55.626 120.904,60.96 135.89,60.96 141.224,55.626 141.224,40.64 135.89,35.306 120.904,35.306
GND on Bottom Layer "GND_L02_P024" (solid, pour order 24): 87.63,40.64 87.63,55.626 92.964,60.96 107.95,60.96 113.284,55.626 113.284,40.64 107.95,35.306 92.964,35.306
GND on Bottom Layer "GND_L02_P019" (solid, pour order 19): 59.69,40.64 59.69,55.626 65.024,60.96 80.01,60.96 85.344,55.626 85.344,40.64 80.01,35.306 65.024,35.306

## Keep-outs
Keep-Out Layer:
  circle w0.254: c72.517,104.013 r2.2
  circle w0.254: c100.457,104.013 r2.2
  circle w0.254: c128.397,104.013 r2.2
  circle w0.254: c72.517,76.073 r2.2
  circle w0.254: c128.397,76.073 r2.2
  circle w0.254: c72.517,48.133 r2.2
  circle w0.254: c100.457,48.133 r2.2
  circle w0.254: c128.397,48.133 r2.2

## Silkscreen, mask and mechanical layers (free items; w line width, h text height)
Top Overlay:
  text "+" at 82.959,107.597 h3.05
  text "+" at 110.899,107.597 h3.05
  text "+" at 138.839,107.597 h3.05
  text "+" at 62.512,104.549 h3.05
  text "+" at 90.452,104.549 h3.05
  text "+" at 118.392,104.549 h3.05
  text "-" at 84.207,101.374 h3.05 r90
  text "-" at 112.147,101.374 h3.05 r90
  text "-" at 140.087,101.374 h3.05 r90
  text "-" at 63.76,98.326 h3.05 r90
  text "-" at 91.7,98.326 h3.05 r90
  text "-" at 119.64,98.326 h3.05 r90
  text "+" at 82.959,79.657 h3.05
  text "+" at 138.839,79.657 h3.05
  text "+" at 62.512,76.609 h3.05
  text "+" at 118.392,76.609 h3.05
  text "-" at 84.207,73.434 h3.05 r90
  text "-" at 140.087,73.434 h3.05 r90
  text "-" at 63.76,70.386 h3.05 r90
  text "-" at 119.64,70.386 h3.05 r90
  text "+" at 82.959,51.717 h3.05
  text "+" at 110.899,51.717 h3.05
  text "+" at 138.839,51.717 h3.05
  text "+" at 62.512,48.669 h3.05
  text "+" at 90.452,48.669 h3.05
  text "+" at 118.392,48.669 h3.05
  text "-" at 84.207,45.494 h3.05 r90
  text "-" at 112.147,45.494 h3.05 r90
  text "-" at 140.087,45.494 h3.05 r90
  text "-" at 63.76,42.446 h3.05 r90
  text "-" at 91.7,42.446 h3.05 r90
  text "-" at 119.64,42.446 h3.05 r90
Mechanical 1:
  circle w0.254: c72.517,48.133 r2.2
  circle w0.254: c72.517,104.013 r2.2
  circle w0.254: c100.457,104.013 r2.2
  circle w0.254: c128.397,104.013 r2.2
  circle w0.254: c72.517,76.073 r2.2
  circle w0.254: c128.397,76.073 r2.2
  circle w0.254: c100.457,48.133 r2.2
  circle w0.254: c128.397,48.133 r2.2
  lines w0.254: 59.69,40.64 59.69,48.133 59.69,55.626 65.024,60.96 65.024,63.246 59.69,68.58 59.69,76.073 59.69,83.566 65.024,88.9 65.024,91.186 59.69,96.52 59.69,104.013 59.69,111.506 65.024,116.84 72.517,116.84 80.01,116.84 85.344,111.506 87.63,111.506 92.964,116.84 100.457,116.84 107.95,116.84 113.284,111.506 115.57,111.506 120.904,116.84 128.397,116.84 135.89,116.84 141.224,111.506 141.224,104.013 141.224,96.52 135.89,91.186 135.89,88.9 141.224,83.566 141.224,76.073 141.224,68.58 135.89,63.246 135.89,60.96 141.224,55.626 141.224,48.133 141.224,40.64 135.89,35.306 128.397,35.306 120.904,35.306 115.57,40.64 113.284,40.64 107.95,35.306 100.457,35.306 92.964,35.306 87.63,40.64 85.344,40.64 80.01,35.306 72.517,35.306 65.024,35.306 59.69,40.64 ; 80.01,60.96 80.01,63.246 85.344,68.58 85.344,76.073 85.344,83.566 80.01,88.9 80.01,91.186 85.344,96.52 87.63,96.52 92.964,91.186 100.457,91.186 107.95,91.186 113.284,96.52 115.57,96.52 120.904,91.186 120.904,88.9 115.57,83.566 115.57,76.073 115.57,68.58 120.904,63.246 120.904,60.96 115.57,55.626 113.284,55.626 107.95,60.96 100.457,60.96 92.964,60.96 87.63,55.626 85.344,55.626 80.01,60.96